# Altium PCB Power_Card_Lahiru.PcbDoc (part 2 of 2) (continued)
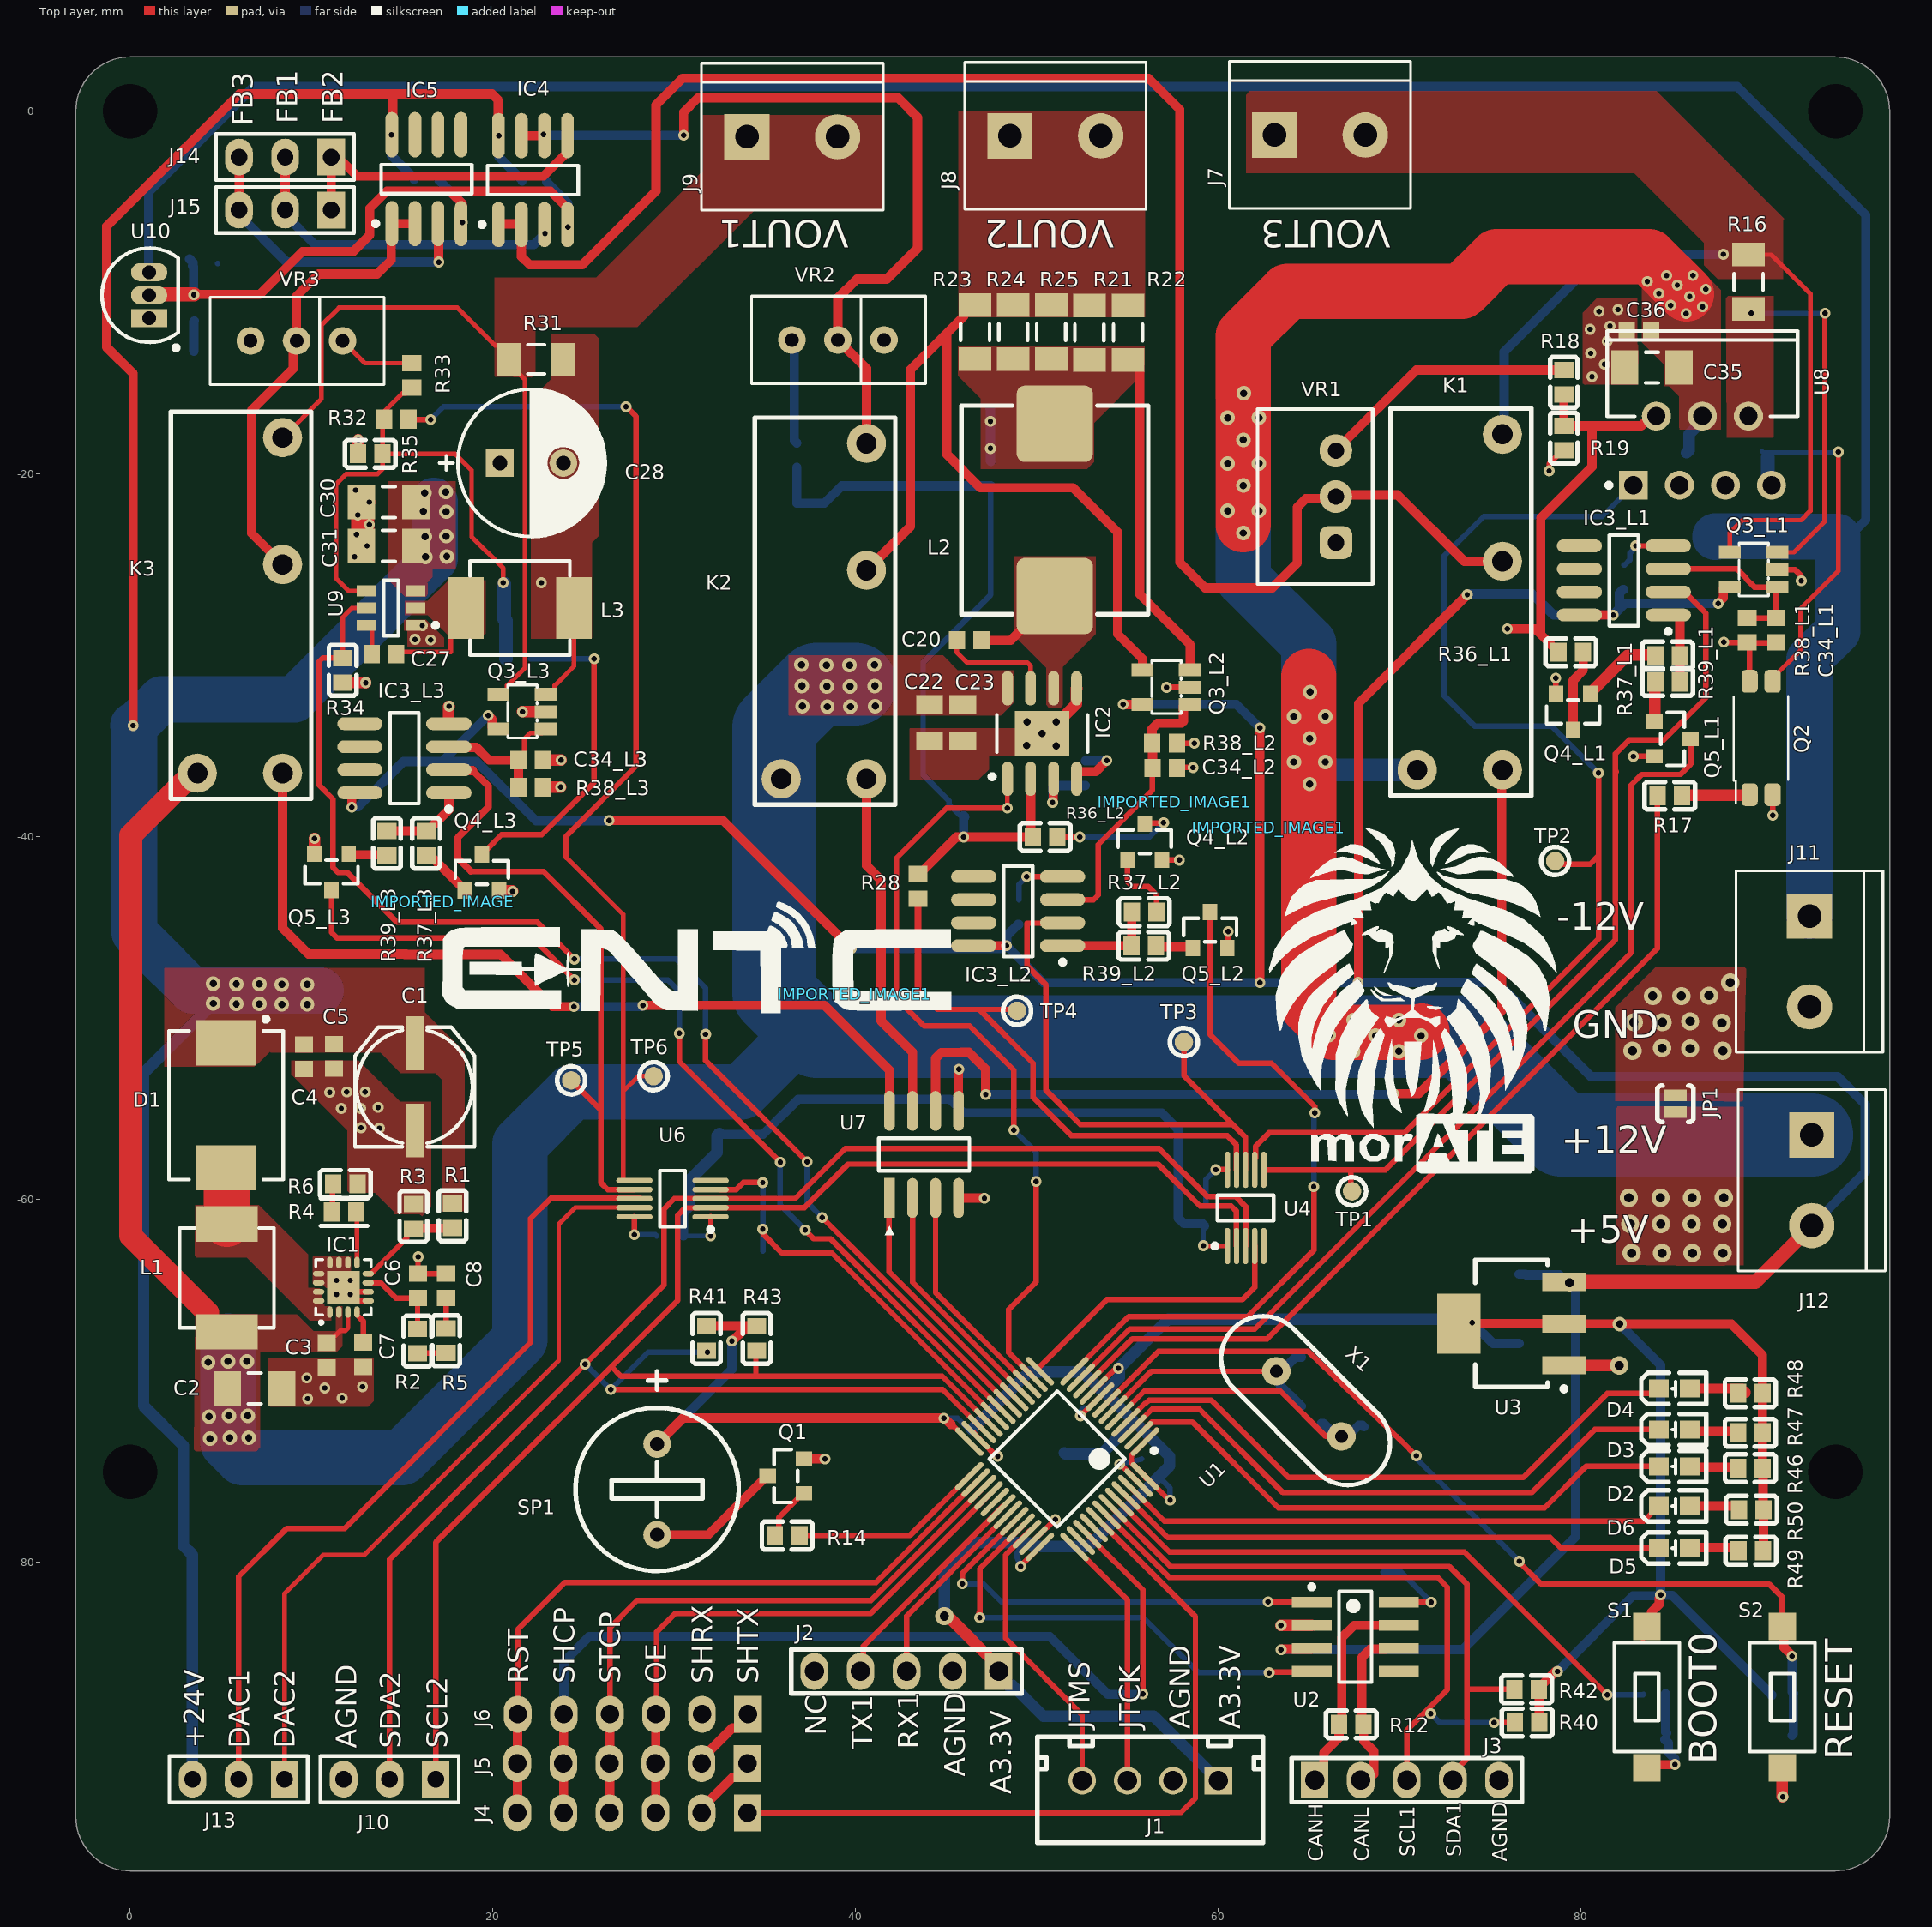
[diagram p0: Top Layer view]
## Nets (pads, with @x,y where several pads share a name; then routed paths per layer and width w, separated by ;. In a path a pad name is that pad's centre, name@x,y a point inside that pad or via, vN(x,y) a via of type N, cw(c..) or ccw(c..) an arc to the next point about the centre after c; other vN are vias at no path point) (continued)
  Bottom Layer w0.762: C33_L3.2@20.623,-27.991 C29.1@20.623,-26.042 ; R36_L3.2@20.712,-30.175 C33_L3.2@20.712,-28.079
NetC33_L1_2: C33_L1.2 R18.1 R19.2 R36_L1.2 U8.2 | length 23.1
  Top Layer w0.508: v1(75.921,-28.523) 77.454,-28.523 77.768,-28.836 ; R36_L1.2@78.751,-29.82 78.751,-29.745 78.555,-29.549 78.48,-29.549 77.768,-28.836 ; R18.1@79.045,-15.61 R19.2@79.045,-17.334 80.543,-17.334 ; U8.2@84.142,-16.796 83.846,-16.795 83.308,-17.334 80.543,-17.334 ; 77.768,-28.836 77.768,-22.41 80.594,-19.583 80.594,-17.384 80.543,-17.334
NetC34_L1_2: C34_L1.2 IC3_L1.3 Q3_L1.1 R38_L1.2 | length 9.8
  Top Layer w0.305: IC3_L1.3@84.797,-25.222 88.584,-25.222 89.103,-25.741 89.103,-25.777 89.549,-26.223 Q3_L1.1@90.81,-26.223 90.754,-26.279 C34_L1.2@90.754,-27.925 ; R38_L1.2@89.151,-27.925 C34_L1.2@90.754,-27.925
NetC34_L2_2: C34_L2.2 IC3_L2.3 Q3_L2.1 R38_L2.2 | length 15.6
  Top Layer w0.305: IC3_L2.3@51.407,-43.459 53.111,-43.459 53.365,-43.205 53.365,-40.411 56.359,-37.418 C34_L2.2@56.359,-36.191
  Top Layer w0.508: C34_L2.2@56.359,-36.191 56.359,-34.841 R38_L2.2@56.348,-34.83 56.337,-34.819 56.337,-34.029 56.635,-33.731 57.963,-33.731 58.069,-33.625 58.069,-32.802 58.171,-32.7 Q3_L2.1@58.425,-32.7
NetC34_L3_2: C34_L3.2 IC3_L3.3 Q3_L3.1 R38_L3.2 | length 8.4
  Top Layer w0.254: C34_L3.2@21.398,-35.757 21.721,-35.434 21.721,-34.591 22.037,-34.275 22.687,-34.275 Q3_L3.1@22.915,-34.046
  Top Layer w0.508: IC3_L3.3@17.563,-35.027 17.6,-35.063 19.087,-35.063 19.78,-35.757 C34_L3.2@21.398,-35.757 R38_L3.2@21.398,-37.255
NetD1_1: D1.1 IC1.1 IC1.15 IC1.16 L1.2 | length 3.1
  Top Layer w0.508: D1.1@5.276,-58.243 D1.1@5.326,-58.293
  Top Layer w2.54: L1.2@5.326,-61.338 D1.1@5.326,-58.293
NetD2_1: D2.1 R46.1 | length 2.7
  Top Layer w0.508: D2.1@85.979,-74.701 86.03,-74.752 88.591,-74.752 R46.1@88.642,-74.803
NetD3_1: D3.1 R47.1 | length 2.7
  Top Layer w0.508: D3.1@85.979,-72.669 86.069,-72.759 88.552,-72.759 R47.1@88.642,-72.85
NetD4_1: D4.1 R48.1 | length 2.8
  Top Layer w0.508: D4.1@86.411,-70.409 88.878,-70.409 89.074,-70.605 R48.1@89.074,-70.667
NetD5_1: D5.1 R49.1 | length 2.8
  Top Layer w0.508: D5.1@85.979,-79.197 86.004,-79.172 88.343,-79.172 88.521,-79.35 R49.1@88.682,-79.35
NetD6_1: D6.1 R50.1 | length 2.6
  Top Layer w0.508: D6.1@86.157,-76.886 88.512,-76.886 88.708,-77.082 R50.1@88.708,-77.089
NetIC1_8: IC1.8 R1.1 R3.1 | length 5.8
  Top Layer w0.305: IC1.8@13.118,-64.076 13.278,-64.076 15.24,-62.114 15.24,-61.896 15.538,-61.599 R3.1@15.613,-61.599
  Top Layer w0.508: R3.1@15.613,-61.599 15.633,-61.579 17.752,-61.579 R1.1@17.772,-61.559
NetIC1_9: IC1.9 R4.2 | length 2.8
  Top Layer w0.254: R4.2@12.463,-60.681 12.503,-60.72 IC1.9@12.503,-63.461
NetIC2_4: IC2.4 R30.1 | length 3.5
  Top Layer w0.508: IC2.4@52.181,-36.792 52.181,-36.436 52.223,-36.394 53.243,-36.394 v1(53.848,-35.789)
  Bottom Layer w0.508: R30.1@52.664,-35.807 52.673,-35.798 53.839,-35.798 v1(53.848,-35.789)
NetIC3_L1_1: IC3_L1.1 R37_L1.2 R39_L1.2 | length 4.3
  Top Layer w0.508: IC3_L1.1@84.797,-27.762 85.346,-27.762 85.435,-27.851 R37_L1.2@85.435,-30.005 R39_L1.2@85.435,-31.453
NetIC3_L2_1: IC3_L2.1 R37_L2.2 R39_L2.2 | length 5.7
  Top Layer w0.508: IC3_L2.1@51.407,-45.999 R39_L2.2@55.205,-45.999 55.218,-45.987 55.218,-44.158 R37_L2.2@55.23,-44.145
NetIC3_L3_1: IC3_L3.1 R37_L3.2 R39_L3.2 | length 4.8
  Top Layer w0.508: R39_L3.2@14.153,-39.674 R37_L3.2@16.312,-39.674 16.387,-39.674 17.563,-38.498 IC3_L3.1@17.563,-37.567
NetJ4_2: J4.2 J5.1 | length 3.9
  Top Layer w0.508: J4.2@31.503,-93.802 31.503,-93.548 33.205,-91.846 33.528,-91.846 34.036,-91.338 J5.1@34.036,-91.11
NetJ5_2: J5.2 J6.1 | length 4
  Top Layer w0.508: J5.2@31.496,-91.084 31.496,-90.83 33.198,-89.129 33.553,-89.129 34.036,-88.646 J6.1@34.036,-88.341
NetQ1_1: Q1.1 R14.1 | length 2.9
  Top Layer w0.305: R14.1@35.545,-78.511 35.75,-78.307 35.75,-77.529 37.059,-76.22 Q1.1@37.059,-76.2
NetQ1_3: Q1.3 SP1.2 | length 7.4
  Top Layer w0.508: SP1.2@29.134,-78.511 29.174,-78.471 31.858,-78.471 35.094,-75.235 Q1.3@35.144,-75.235
NetQ2_A: Q2.A R17.1 | length 3.7
  Top Layer w0.635: R17.1@85.562,-37.719 85.587,-37.694 89.256,-37.694 Q2.A@89.281,-37.669
NetQ3_L1_3: Q3_L1.3 R16.2 U8.6 | length 19
  Top Layer w0.254: Q3_L1.3@90.81,-24.308 91.719,-24.308 93.421,-22.606 93.421,-11.151 v1(93.447,-11.125)
  Bottom Layer w0.254: v1@89.281,-11.227 v1(89.383,-11.125) v1(93.447,-11.125)
NetQ4_L1_1: Q4_L1.1 R37_L1.1 | length 4.5
  Top Layer w0.635: Q4_L1.1@80.503,-32.096 80.503,-32.046 82.577,-29.972 84.052,-29.972 R37_L1.1@84.085,-30.005
NetQ4_L2_1: Q4_L2.1 R37_L2.1 | length 4.1
  Top Layer w0.305: Q4_L2.1@54.981,-41.259 54.981,-42.459 55.245,-42.723 56.109,-42.723 56.58,-43.195 R37_L2.1@56.58,-44.145
NetQ4_L3_1: Q4_L3.1 R37_L3.1 | length 2.9
  Top Layer w0.508: R37_L3.1@16.312,-41.024 16.508,-41.22 16.739,-41.22 18.43,-42.911 Q4_L3.1@18.43,-42.961
NetQ5_L1_1: Q5_L1.1 R39_L1.1 | length 1.8
  Top Layer w0.635: Q5_L1.1@84.039,-33.264 84.062,-33.241 84.062,-31.476 R39_L1.1@84.085,-31.453
NetQ5_L2_1: Q5_L2.1 R39_L2.1 | length 2.1
  Top Layer w0.508: R39_L2.1@56.555,-45.999 56.623,-46.068 58.519,-46.068 Q5_L2.1@58.588,-46.136
NetQ5_L3_1: Q5_L3.1 R39_L3.1 | length 2.5
  Top Layer w0.508: Q5_L3.1@12.05,-40.935 12.094,-40.98 14.109,-40.98 R39_L3.1@14.153,-41.024 14.078,-41.024 R39_L3.1@13.882,-41.22
NetR2_1: R2.1 R5.1 | length 1.6
  Top Layer w0.305: R2.1@15.842,-68.468 15.854,-68.455 17.404,-68.455 R5.1@17.416,-68.442
NetR4_1: R4.1 R6.2 | length 1.6
  Top Layer w0.305: R4.1@11.113,-60.681 11.146,-60.648 11.146,-59.164 R6.2@11.179,-59.131
NetR9_2: R9.2 R11.2 S1.1 | length 5.3
  Top Layer w0.508: S1.1@83.693,-91.211 83.752,-91.153 85.149,-91.153 v1(85.166,-91.135)
  Bottom Layer w0.508: R11.2@84.613,-89.764 84.809,-89.96 84.809,-90.473 85.166,-90.83 v1(85.166,-91.135) ; R9.2@84.647,-87.224 84.647,-89.346 R11.2@84.709,-89.408
NetR13_2: R13.2 U2.8 | length 5.1
  Top Layer w0.305: U2.8@69.939,-82.194 v1(71.73,-82.194)
  Bottom Layer w0.305: R13.2@69.077,-80.543 70.079,-80.543 v1(71.73,-82.194)
NetR18_2: R18.2 VR1.3 | length 14.4
  Top Layer w0.508: VR1.3@66.472,-18.694 70.906,-14.26 R18.2@79.045,-14.26
NetR26_2: R26.2 VR2.3 | length 5.8
  Bottom Layer w0.508: VR2.3@36.474,-12.598 36.614,-12.738 36.614,-18.134 R26.2@36.754,-18.273
NetR33_1: R33.1 VR3.1 | length 4.3
  Top Layer w0.254: VR3.1@11.709,-12.649 12.939,-13.879 R33.1@15.519,-13.879
NetR44_2: R44.2 R45.1 | length 1.7
  Bottom Layer w0.508: R45.1@3.505,-13.219 3.505,-11.582 R44.2@3.531,-11.557
NetU1_29: U1.29
OSC1: C14.1 R7.2 U1.5 X1.2 | length 15.9
  Top Layer w0.305: U1.5@55.171,-71.293 55.903,-70.561 63.424,-70.561 65.913,-73.05 X1.2@66.777,-73.05
  Bottom Layer w0.508: R7.2@65.659,-72.339 65.799,-72.339 66.51,-73.05 66.777,-73.05 66.981,-72.846 67.319,-72.846 67.739,-72.426 67.93,-72.426 C14.1@68.021,-72.517
OSC2: C15.1 R7.1 U1.6 X1.1 | length 13.2
  Top Layer w0.305: U1.6@54.815,-70.938 56.295,-69.458 X1.1@63.185,-69.458
  Bottom Layer w0.508: R7.1@64.572,-71.379 64.448,-71.255 64.419,-71.255 63.389,-70.225 63.389,-69.662 X1.1@63.185,-69.458 63.473,-69.458 64.275,-68.656 64.295,-68.676 C15.1@64.572,-68.676
PA15: U1.38
PB8: D5.2 U1.45 | length 30.6
  Top Layer w0.305: U1.45@54.888,-76.31 57.191,-78.613 78.288,-78.613 78.872,-79.197 D5.2@84.277,-79.197
PB9: D6.2 U1.46 | length 30.1
  Top Layer w0.305: U1.46@55.241,-75.957 57.009,-77.724 83.439,-77.724 D6.2@84.277,-76.886
PB10: J10.1 R43.1 U1.21 U4.2 U6.2 | length 94.5
  Top Layer w0.305: J10.1@16.84,-91.948 16.84,-78.892 30.175,-65.557 30.175,-60.858 30.582,-60.452 U6.2@31.344,-60.452 ; 26.543,-69.215 27.051,-69.723 34.493,-69.723 ; U6.2@31.996,-60.444 37.168,-60.444 39.573,-58.039 56.667,-58.039 58.979,-60.35 60.706,-60.35 60.993,-60.638 U4.2@60.993,-62.552 ; R43.1@34.544,-68.315 34.469,-68.315 34.493,-68.339 34.493,-69.723 ; U1.21@47.322,-72.28 44.765,-69.723 34.493,-69.723
PB11: J10.2 R41.1 U1.22 U4.3 U6.3 | length 104.3
  Top Layer w0.305: J10.2@14.046,-91.923 14.3,-91.669 14.3,-79.832 v1(25.07,-69.063) 29.413,-64.719 29.413,-60.528 29.997,-59.944 U6.3@31.996,-59.944 36.652,-59.944 39.421,-57.175 56.718,-57.175 59.36,-59.817 60.935,-59.817 61.493,-60.376 U4.3@61.493,-62.552 ; v1(26.492,-70.46) 44.795,-70.46 U1.22@46.968,-72.633
  Bottom Layer w0.305: v1(25.07,-69.063) 25.082,-69.063 26.479,-70.46 v1(26.492,-70.46) 28.55,-68.402 v1(31.826,-68.402)
PB12: R14.2 U1.25 | length 10.8
  Top Layer w0.305: R14.2@36.895,-78.511 42.977,-78.511 U1.25@46.304,-75.184
PB13: J4.6 J5.6 J6.6 U1.26 | length 39
  Top Layer w0.305: J6.6@21.412,-88.443 21.361,-88.392 21.361,-83.693 23.952,-81.102 41.116,-81.102 U1.26@46.615,-75.603
  Top Layer w0.508: J6.6@21.336,-88.189 21.352,-88.205 21.352,-93.793 J4.6@21.343,-93.802
PB14: J4.4 J5.4 J6.4 U1.27 | length 34.1
  Top Layer w0.305: J6.4@26.264,-88.24 26.441,-88.062 26.441,-83.591 27.94,-82.093 40.832,-82.093 U1.27@46.968,-75.957
  Top Layer w0.508: J6.4@26.416,-88.138 26.432,-88.154 26.432,-93.793 J4.4@26.423,-93.802
PB15: J4.3 J5.3 J6.3 U1.28 | length 31.6
  Top Layer w0.305: J6.3@28.931,-88.265 29.032,-88.163 29.032,-83.82 30.048,-82.804 40.828,-82.804 U1.28@47.322,-76.31
  Top Layer w0.508: J6.3@28.626,-88.214 28.972,-88.561 28.972,-93.793 J4.3@28.963,-93.802
PC13: D2.2 U1.2 | length 31.9
  Top Layer w0.305: U1.2@55.595,-72.987 55.598,-72.987 56.336,-72.249 58.559,-72.249 63.297,-76.987 77.978,-76.987 80.264,-74.701 D2.2@84.277,-74.701
PC14: D3.2 U1.3 | length 32.8
  Top Layer w0.305: U1.3@55.241,-72.633 56.323,-71.552 58.953,-71.552 63.551,-76.149 77.267,-76.149 80.747,-72.669 D3.2@84.277,-72.669
PC15: D4.2 U1.4 | length 33.7
  Top Layer w0.305: U1.4@54.888,-72.28 55.921,-71.247 55.978,-71.247 56.181,-71.044 59.588,-71.044 63.856,-75.311 76.81,-75.311 81.44,-70.68 83.955,-70.68 84.226,-70.409 D4.2@84.277,-70.409
RELAY_1: U1.17 U7.1 | length 13.8
  Top Layer w0.305: U7.1@41.834,-59.969 41.834,-63.963 U1.17@48.736,-70.866
RELAY_2: U1.16 U7.2 | length 12.9
  Top Layer w0.305: U7.2@43.18,-60.147 43.129,-60.198 43.129,-64.552 U1.16@49.09,-70.512
RELAY_3: U1.15 U7.3 | length 12.4
  Top Layer w0.305: U7.3@44.374,-59.868 44.399,-59.893 U7.3@44.399,-59.906 44.399,-65.115 U1.15@49.443,-70.158
RESET: C16.2 R8.2 S2.2 U1.7 | length 51.7
  Top Layer w0.305: U1.7@53.827,-71.219 56.68,-68.366 64.962,-68.366 70.104,-73.33 70.891,-74.117 v1(70.917,-74.117) ; v1(76.581,-79.934) 76.581,-79.985 77.78,-81.183 90.353,-81.183 91.084,-81.915 S2.2@91.084,-83.388
  Top Layer w0.508: S2.2@91.161,-83.693 91.161,-84.658 91.618,-85.115 v1(91.618,-85.166)
  Bottom Layer w0.305: v1(70.917,-74.117) 70.917,-74.27 v1(76.581,-79.934)
  Bottom Layer w0.508: C16.2@91.618,-89.535 91.696,-89.457 91.696,-87.236 R8.2@91.709,-87.224 91.618,-87.133 v1(91.618,-85.166)
RX1: J2.3 U1.31 | length 10
  Top Layer w0.305: J2.3@42.799,-86.004 42.799,-82.954 U1.31@47.748,-78.006
SCK1: J4.5 J5.5 J6.5 U1.39 | length 52.5
  Top Layer w0.305: U1.39@52.832,-78.461 52.832,-78.511 55.829,-81.509 v1(55.829,-87.249)
  Top Layer w0.508: J6.5@23.698,-88.189 23.892,-88.383 23.892,-93.793 J4.5@23.883,-93.802
  Bottom Layer w0.508: J6.5@23.901,-88.367 23.901,-85.471 25.298,-84.074 50.698,-84.074 53.899,-87.274 54.763,-87.274 54.771,-87.267 55.821,-87.267 v1@55.829,-87.274
SCL1: J3.3 R40.1 U1.42 | length 37.1
  Top Layer w0.305: U1.42@53.827,-77.371 57.279,-80.823 72.085,-80.823 72.619,-81.356 72.619,-87.02 v1@71.501,-88.138 ; J3.3@70.383,-91.999 70.383,-89.256 v1@71.501,-88.138 ; v1(71.704,-88.341) v1@71.501,-88.138 ; v1(75.184,-88.824) R40.1@76.338,-88.824
  Bottom Layer w0.305: v1(71.704,-88.341) 72.187,-88.824 v1(75.184,-88.824)
SDA1: J3.4 R42.1 U1.43 | length 35
  Top Layer w0.305: U1.43@54.178,-77.038 57.353,-80.213 72.72,-80.213 73.711,-81.204 73.711,-86.995 ; J3.4@72.923,-91.999 72.923,-91.595 73.711,-90.808 73.711,-86.995 ; R42.1@76.312,-86.995 73.711,-86.995
SW_VOUT_1: K1.1 U7.6 | length 51
  Top Layer w0.203: U7.6@44.399,-55.106 44.442,-55.106 U7.6@44.582,-55.246
  Top Layer w0.508: U7.6@44.399,-55.106 U7.6@44.417,-55.123 ; U7.6@44.399,-54.407 44.399,-52.197 44.704,-51.892 45.796,-51.892 45.814,-51.874 46.235,-51.874 47.168,-52.807 v4(47.168,-54.204) ; v4(69.647,-54.153) 71.044,-54.153 75.616,-49.581 K1.1@75.616,-36.119
  Bottom Layer w0.508: v4(47.168,-54.204) 69.596,-54.204 v4(69.647,-54.153)
SW_VOUT_2: K2.1 U7.7 | length 19.4
  Top Layer w0.508: K2.1@40.589,-36.798 40.589,-41.58 41.402,-42.393 41.402,-50.14 43.129,-51.867 U7.7@43.129,-55.106
SW_VOUT_3: K3.1 U7.8 | length 47.6
  Top Layer w0.508: K3.1@8.395,-36.479 8.395,-45.022 9.83,-46.457 15.215,-46.457 ; 15.138,-46.482 20.422,-46.482 23.292,-49.352 v1(24.46,-49.352) ; v1(28.27,-49.276) 38.278,-49.276 41.859,-52.857 U7.8@41.859,-55.106
  Bottom Layer w0.508: v1(24.46,-49.352) 28.194,-49.352 v1(28.27,-49.276)
TX1: J2.4 U1.30 | length 12.8
  Top Layer w0.305: J2.4@40.411,-85.636 cw(c39.891,-85.636) J2.4@40.259,-86.004 40.411,-85.852 40.411,-84.607 U1.30@48.133,-76.886
unbuff_fb1: IC4.3 J14.2 J15.2 | length 18.5
  Top Layer w0.508: J15.2@8.534,-5.436 8.534,-2.616 J14.2@8.56,-2.591 ; IC4.3@22.809,-6.223 IC4.3@22.885,-6.299
  Bottom Layer w0.508: J15.2@8.534,-5.436 8.534,-5.69 10.185,-7.341 22.25,-7.341 v1(22.86,-6.731)
unbuff_fb2: IC4.5 J14.1 J15.1 | length 18
  Top Layer w0.508: J14.1@10.871,-2.769 11.1,-2.54 11.481,-2.54 12.497,-3.556 22.783,-3.556 24.105,-2.235 IC4.5@24.105,-1.335 ; J15.1@11.074,-5.436 J14.1@11.074,-2.591
unbuff_fb3: IC5.3 J14.3 J15.3 | length 17.7
  Top Layer w0.508: J14.3@5.893,-2.438 5.994,-2.54 J15.3@5.994,-5.436 ; IC5.3@16.891,-6.045 17,-6.155 17,-8.288 v1(17.018,-8.306)
  Bottom Layer w0.508: J15.3@5.994,-5.436 5.994,-5.69 8.611,-8.306 v1(17.018,-8.306)
VDD: C42.1 C43.2 R15.1 U4.1 U5.3 U6.1 | length 44.8
  Top Layer w0.254: v1(32.004,-62.001) U6.1@32.004,-60.909 ; v1(59.157,-62.535) 60.476,-62.535 U4.1@60.493,-62.552
  Bottom Layer w0.254: C43.2@30.495,-62.001 v1(32.004,-62.001) ; U5.3@30.836,-59.385 U5.3@30.861,-59.411 ; v1(59.157,-62.535) v1@59.157,-62.484 ; v1@59.157,-62.459 C42.1@59.157,-61.366
  Bottom Layer w0.508: C43.2@30.495,-62.001 30.495,-60.742 30.861,-60.376 U5.3@30.861,-59.411 ; R15.1@32.563,-56.403 34.885,-56.403 36.83,-54.458 45.187,-54.458 45.949,-55.22 56.871,-55.22 57.785,-56.134 57.785,-61.018 58.083,-61.316 59.106,-61.316 59.157,-61.366 C42.1@59.233,-61.443 ; v1@59.131,-62.484 59.157,-62.459 v1@59.182,-62.484
  Bottom Layer w0.635: U5.3@30.82,-59.25 30.82,-58.935 32.355,-57.4 32.355,-56.469 R15.1@32.487,-56.337
VOUT1: J7.1 J7.2 K1.3 Q3_L1.4 R16.1 | length 41.2
  Top Layer w0.254: Q3_L1.4@88.189,-24.308 88.189,-23.235 88.894,-22.53 92.126,-22.53 92.634,-22.022 92.634,-10.058 90.475,-7.899 89.232,-7.899 R16.1@89.23,-7.898
  Bottom Layer w0.508: K1.3@75.654,-17.801 75.751,-17.705 75.751,-13.251 81.128,-7.874 v1(87.833,-7.874)
VOUT2: J8.1 J8.2 K2.2 Q3_L2.4 R21.1 R22.2 R23.2 R24.2 R25.2 | length 43.3
  Top Layer w0.508: K2.2@40.589,-25.298 43.002,-22.885 43.002,-14.248 45.009,-12.241 ; R23.2@46.584,-10.667 46.334,-10.667 45.938,-11.063 45.938,-11.313 45.009,-12.241 ; Q3_L2.4@55.804,-30.785 55.804,-30.175 54.432,-28.804 54.432,-23.19 51.994,-20.752 46.863,-20.752 45.009,-18.898 45.009,-12.241
VOUT3: J9.1 J9.2 K3.3 Q3_L3.4 R31.1 | length 38.7
  Top Layer w0.254: K3.3@8.407,-17.983 10.541,-15.85 10.541,-11.786 11.506,-10.82 18.033,-10.82 20.104,-12.892 20.354,-12.892 20.877,-13.415 R31.1@20.877,-13.665 20.877,-13.915 21.768,-14.806 21.768,-30.658 20.777,-31.648 20.777,-31.902 20.549,-32.131 Q3_L3.4@20.295,-32.131
VSET_1: TP2.1 U4.7 U8.1 | length 66.1
  Top Layer w0.305: U4.7@62.039,-57.709 62.039,-57.062 62.789,-56.312 70.256,-56.312 80.95,-45.618 80.95,-41.046 ; TP2.1@78.562,-41.326 78.74,-41.504 80.493,-41.504 80.95,-41.046 ; v1(80.95,-36.474) 80.95,-41.046
  Bottom Layer w0.305: v1(80.95,-36.474) 78.359,-33.884 74.117,-33.884 72.415,-32.182 72.415,-24.536 74.625,-22.327 81.151,-22.327 U8.1@82.872,-20.606
VSET_2: R28.1 TP4.1 U4.9 | length 30.7
  Top Layer w0.305: 43.434,-48.438 44.501,-49.505 46.812,-49.505 ; TP4.1@48.895,-49.581 48.819,-49.505 46.812,-49.505 ; U4.9@60.993,-58.352 60.993,-56.98 60.477,-56.464 51.892,-56.464 49.784,-54.356 49.784,-52.476 46.812,-49.505
  Top Layer w0.381: 43.434,-48.438 R28.1@43.434,-43.398
VSET_3: R32.2 TP6.1 U6.6 | length 60.8
  Top Layer w0.254: 24.003,-41.097 24.028,-41.123 27.178,-44.272 27.178,-54.026 ; U6.6@27.796,-58.944 27.199,-58.944 27.178,-58.923 27.178,-54.026 ; TP6.1@28.854,-53.188 28.016,-53.188 27.178,-54.026
  Top Layer w0.305: R32.2@15.356,-16.967 15.382,-16.993 v1(16.561,-16.993) ; 24.028,-41.123 24.028,-39.954 27.889,-36.093 27.889,-16.815 27.356,-16.281 v1(27.33,-16.281)
  Bottom Layer w0.305: v1(16.561,-16.993) 17.272,-16.281 v1(27.33,-16.281)
pads on no net: IC3_L1.5 IC3_L1.6 IC3_L1.7 IC3_L2.5 IC3_L2.6 IC3_L2.7 IC3_L3.5 IC3_L3.6 IC3_L3.7 IC5.5 IC5.6 IC5.7 J2.5 J6.2 Q4_L1.3 Q4_L2.3 Q4_L3.3 R36_L1.1 R36_L2.1 R36_L3.1 U2.5 U4.5 U5.1 U6.5 VR1.1 VR2.1 VR3.3
copper on no net: | length 30
  Top Layer w0.305: 19.38,-40.961 19.38,-40.911 19.628,-40.663 19.678,-40.663 20.463,-39.878 22.682,-39.878 25.578,-36.982 v1(25.578,-30.175) ; 51.119,-40.005 v1@52.349,-40.005 ; 55.931,-39.259 55.952,-39.238 56.951,-39.238 v1(56.972,-39.218)
  Top Layer w0.508: 19.38,-40.961 19.39,-40.971 ; 55.931,-39.309 55.931,-39.259 ; 79.553,-34.096 79.553,-31.369 80.112,-30.81 80.112,-29.83 80.101,-29.82
  Bottom Layer w0.305: 22.062,-30.175 v1(25.578,-30.175) ; v1(52.349,-40.005) 56.185,-40.005 v1(56.972,-39.218)

## Polygon pours and split planes (outlines as drawn)
NetD1_1 on Top Layer "NETD1_1_L01_P080" (solid, pour order 80): 3.581,-60.3 7.087,-60.3 9.804,-63.017 9.804,-64.872 10.439,-64.872 10.668,-65.1 10.592,-65.176 10.592,-65.735 10.871,-65.735 11.125,-65.989 11.125,-66.65 9.906,-66.65 6.426,-63.17 3.556,-63.17
GND on Top Layer "Top Layer-GND" (solid, pour order 118): 83.642,-54.559 86.843,-54.559 88.925,-54.61 89.027,-50.14 89.094,-47.184 86.915,-47.184 84.108,-47.184 81.89,-49.403 81.89,-50.216 81.89,-54.559
AGND on Top Layer "Top Layer-AGND" (solid, pour order 116): 81.94,-54.832 88.951,-54.889 88.951,-63.601 86.897,-63.653 83.61,-63.601 81.94,-63.575
GND on Top Layer "GND_L01_P112" (solid, pour order 112): 83.109,-15.062 80.213,-15.062 80.162,-15.113 80.086,-15.037 80.086,-11.1 80.899,-10.287 83.16,-10.287
+12V on Top Layer "+12V_L01_P106" (solid, pour order 106): 86.614,-17.577 86.568,-17.531 85.412,-17.531 85.412,-15.714 84.836,-15.138 84.557,-15.138 84.557,-13.943 83.337,-12.724 83.337,-8.687 83.515,-8.509 86.36,-8.509 86.563,-8.712 87.706,-9.855 87.706,-17.526 85.416,-17.526
VOUT1 on Top Layer "VOUT1_L01_P104" (solid, pour order 104): 61.747,1.168 61.798,1.118 84.15,1.118 91.186,-5.918 91.135,-5.969 91.135,-9.246 87.528,-9.246 86.766,-8.484 86.766,-7.239 82.931,-3.404 61.519,-3.404 61.519,0.914 61.57,0.965
NetQ3_L1_3 on Top Layer "NETQ3_L1_3_L01_P102" (solid, pour order 102): 87.986,-10.236 88.036,-10.185 90.602,-10.185 90.602,-17.947 90.566,-17.983 88.026,-17.983
VOUT2 on Top Layer "VOUT2_L01_P096" (solid, pour order 96): 45.669,-11.328 55.956,-11.328 55.956,0 45.669,0
VOUT3 on Top Layer "VOUT3_L01_P094" (solid, pour order 94): 20.066,-14.63 20.091,-14.605 20.091,-9.169 25.679,-9.169 31.572,-3.277 31.572,-0.203 41.5,-0.203 41.5,-5.447 34.406,-5.447 27.965,-11.887 22.327,-11.887 22.327,-14.478 22.123,-14.681
+24V on Top Layer "+24V_L01_P088" (solid, pour order 88): 1.876,-52.654 6.833,-52.654 6.985,-52.502 7.036,-52.502 7.696,-51.841 7.747,-51.892 13.792,-51.892 14.91,-53.01 16.84,-53.01 16.84,-53.035 17.221,-53.416 17.221,-60.63 18.534,-60.63 18.44,-60.536 18.44,-51.867 16.231,-49.657 16.231,-47.219 3.513,-47.219 1.876,-47.219
GND on Top Layer "GND_L01_P086" (solid, pour order 86): 12.09,-59.614 11.989,-59.512 11.989,-56.185 8.89,-53.086 8.89,-52.324 12.598,-52.324 14.884,-54.61 16.586,-54.61 16.586,-60.426 16.088,-60.924 15.946,-60.782 14.58,-60.782 14.58,-60.706 13.48,-59.606 11.854,-59.606
GND on Top Layer "GND_L01_P084" (solid, pour order 84): 7.544,-71.425 7.595,-71.374 7.595,-68.758 13.411,-68.758 13.411,-71.095 13.106,-71.399 7.544,-71.399 7.518,-71.425
GND on Top Layer "GND_L01_P082" (solid, pour order 82): 10.058,-64.668 10.058,-63.17 10.135,-63.094 12.167,-63.094 12.167,-64.742 12.037,-64.872 10.122,-64.872
+12V on Top Layer "+12V_L01_P078" (solid, pour order 78): 3.581,-66.294 3.607,-66.319 9.177,-66.319 10.117,-67.259 11.328,-67.259 11.328,-65.938 11.303,-65.913 11.328,-65.888 11.684,-65.888 11.684,-68.072 11.354,-68.402 7.163,-68.402 7.163,-73.66 6.96,-73.863 3.511,-73.863
no net on Top Layer "NONET_L01_P076" (solid, pour order 76): 3.581,-66.294
GND on Top Layer "GND_L01_P072" (solid, pour order 72): 51.359,-34.036 50.521,-34.011 43.002,-34.011 42.977,-34.036 42.977,-36.83 46.787,-36.83 47.346,-36.271 47.346,-35.535 51.257,-35.535 51.359,-35.433
+12V on Top Layer "+12V_L01_P070" (solid, pour order 70): 43.205,-33.299 43.256,-33.299 48.006,-33.299 48.717,-32.588 48.717,-30.81 45.628,-30.81 44.815,-29.997 36.297,-29.997 36.297,-33.299
NetC20_1 on Top Layer "NETC20_1_L01_P068" (solid, pour order 68): 50.521,-30.683 48.743,-28.905 48.743,-24.536 53.238,-24.536 53.238,-28.804 51.41,-30.632 51.41,-32.842 50.495,-32.842 50.521,-32.817 50.521,-32.639
NetC21_2 on Top Layer "NETC21_2_L01_P066" (solid, pour order 66): 46.888,-19.71 46.888,-15.824 45.644,-14.58 45.644,-12.903 45.695,-12.852 45.822,-12.979 55.931,-12.979 55.931,-14.376 53.137,-17.17 53.137,-19.329 52.756,-19.71
no net on Top Layer "NONET_L01_P064" (solid, pour order 64): 50.063,-20.091
NetC28_2 on Top Layer "NETC28_2_L01_P062" (solid, pour order 62): 25.4,-29.058 22.098,-29.058 22.098,-15.875 23.19,-14.783 23.19,-12.294 25.603,-12.294 25.832,-12.522 25.832,-23.393 25.451,-23.774 25.451,-29.083
GND on Top Layer "GND_L01_P060" (solid, pour order 60): 16.337,-27.96 17.302,-28.925 17.302,-29.509 15.321,-29.509 15.296,-29.484 15.296,-28.62 15.067,-28.62 15.093,-28.595 15.093,-27.96
+24V on Top Layer "+24V_L01_P058" (solid, pour order 58): 15.138,-26.746 14.249,-25.857 14.249,-20.396 17.932,-20.396 17.932,-25.222 16.662,-25.222 16.662,-25.698 16.376,-25.984 16.408,-26.016 16.408,-26.746
NetC27_1 on Top Layer "NETC27_1_L01_P056" (solid, pour order 56): 15.138,-27 16.408,-27 17.551,-25.857 19.583,-25.857 19.583,-28.778 19.456,-28.905 17.551,-28.905 16.408,-27.762 15.138,-27.762
no net on Top Layer "Top Layer-No Net 2" (solid, pour order 30): 164.596,-24.003
no net on Top Layer "Top Layer-No Net" (solid, pour order 24): 42.418,-30.759
AGND on Bottom Layer "Bottom Layer-AGND" (solid, pour order 114): -2.651,-74.387 3.997,-74.387 4.637,-75.027 16.389,-74.914 23.682,-67.808 23.428,-57.165 25.384,-55.159 34.35,-55.159 37.119,-52.746 52.816,-52.949 72.095,-52.898 77.734,-58.334 96.657,-58.232 96.555,-93.97 94.334,-96.643 0.649,-96.568 -2.226,-93.843
GND on Bottom Layer "GND_L02_P110" (solid, remove dead copper, pour order 110): 96.785,-53.928 96.713,-54 79.883,-54 73.99,-48.108 73.584,-48.514 36.017,-48.514 32.664,-51.867 23.851,-51.867 19.558,-56.159 19.583,-56.185 19.583,-68.707 13.741,-74.549 -2.769,-74.549 -2.769,-0.254 0.356,2.87 93.37,2.87 96.774,-0.533 96.774,-53.188
no net on Bottom Layer "NONET_L02_P098" (solid, pour order 98): 84.582,-21.311 84.633,-21.26 84.633,-18.212
-12V on Bottom Layer "-12V_L02_P100" (solid, pour order 100): 84.633,-18.212 89.052,-18.212 89.109,-18.268 89.109,-24.392 89.51,-24.793 89.484,-24.818 89.484,-26.34 84.582,-26.34 84.582,-21.311
no net on Bottom Layer "Bottom Layer-No Net" (solid, pour order 26): 26.67,-7.112

## Silkscreen, mask and mechanical layers (free items; w line width, h text height)
Top Overlay:
  text "FB1" at 9.22,-0.686 h1.14 r90
  text "FB2" at 11.709,-0.686 h1.14 r90
  text "FB3" at 6.756,-0.788 h1.14 r90
  text "VOUT1" at 39.624,-5.994 h1.52 r180
  text "VOUT2" at 54.254,-5.994 h1.52 r180
  text "VOUT3" at 69.494,-5.994 h1.52 r180
  text "-12V" at 78.638,-45.11 h1.52
  text "GND" at 79.527,-51.079 h1.52
  text "+12V" at 78.892,-57.429 h1.52
  text "+5V" at 79.223,-62.382 h1.52
  text "RST" at 21.946,-86.69 h1.14 r90
  text "SHCP" at 24.481,-86.69 h1.14 r90
  text "STCP" at 27.015,-86.69 h1.14 r90
  text "OE" at 29.55,-86.69 h1.14 r90
  text "SHRX" at 32.085,-86.69 h1.14 r90
  text "SHTX" at 34.62,-86.69 h1.14 r90
  text "JTMS" at 52.908,-89.179 h1.14 r90
  text "JTCK" at 55.668,-89.179 h1.14 r90
  text "AGND" at 58.428,-89.179 h1.14 r90
  text "A3.3V" at 61.189,-89.179 h1.14 r90
  text "NC" at 38.354,-89.536 h1.14 r90
  text "+24V" at 4.089,-90.247 h1.14 r90
  text "DAC1" at 6.553,-90.246 h1.14 r90
  text "DAC2" at 9.068,-90.247 h1.14 r90
  text "AGND" at 12.471,-90.247 h1.14 r90
  text "SDA2" at 14.91,-90.247 h1.14 r90
  text "SCL2" at 17.475,-90.247 h1.14 r90
  text "TX1" at 40.907,-90.297 h1.14 r90
  text "RX1" at 43.459,-90.297 h1.14 r90
  text "RESET" at 94.945,-90.881 h1.52 r90
  text "BOOT0" at 87.452,-91.135 h1.52 r90
  text "AGND" at 46.012,-91.821 h1.14 r90
  text "A3.3V" at 48.565,-92.773 h1.14 r90
  text "SCL1" at 70.828,-96.224 h0.81 r90
  text "SDA1" at 73.362,-96.224 h0.81 r90
  text "CANH" at 65.761,-96.495 h0.81 r90
  text "CANL" at 68.294,-96.495 h0.81 r90
  text "AGND" at 75.895,-96.495 h0.81 r90
Bottom Overlay:
  text "FB3" at 6.782,2.185 h1.14 r90
  text "FB2" at 11.735,2.185 h1.14 r90
  text "FB1" at 9.246,1.804 h1.14 r90
  text "VOUT1" at 33.299,-3.632 h1.52 r180
  text "VOUT2" at 47.727,-3.632 h1.52 r180
  text "VOUT3" at 62.154,-3.632 h1.52 r180
  text "-12V" at 90.78,-40.869 h1.52 r90
  text "GND" at 90.805,-47.752 h1.52 r90
  text "+12V" at 90.881,-53.492 h1.52 r90
  text "+5V" at 90.907,-60.452 h1.52 r90
  text "SHCP" at 24.43,-82.525 h1.14 r90
  text "STCP" at 26.965,-82.525 h1.14 r90
  text "SHRX" at 32.034,-82.525 h1.14 r90
  text "SHTX" at 34.569,-82.525 h1.14 r90
  text "RST" at 21.895,-83.667 h1.14 r90
  text "OE" at 29.5,-84.81 h1.14 r90
  text "A3.3V" at 60.731,-85.344 h1.14 r90
  text "+24V" at 3.988,-85.699 h1.14 r90
  text "DAC2" at 8.966,-85.699 h1.14 r90
  text "AGND" at 12.37,-85.699 h1.14 r90
  text "SDA2" at 14.808,-85.699 h1.14 r90
  text "SCL2" at 17.374,-85.699 h1.14 r90
  text "DAC1" at 6.452,-86.08 h1.14 r90
  text "JTMS" at 52.451,-86.296 h1.14 r90
  text "JTCK" at 55.211,-86.296 h1.14 r90
  text "AGND" at 57.971,-86.296 h1.14 r90
  text "NC" at 38.075,-87.999 h1.14 r90
  text "TX1" at 40.627,-87.999 h1.14 r90
  text "RX1" at 43.18,-87.999 h1.14 r90
  text "AGND" at 45.733,-87.999 h1.14 r90
  text "A3.3V" at 48.285,-87.999 h1.14 r90
  text "CANH" at 65.71,-93.548 h0.81 r90
  text "CANL" at 68.243,-93.548 h0.81 r90
  text "SCL1" at 70.777,-93.548 h0.81 r90
  text "SDA1" at 73.311,-93.548 h0.81 r90
  text "AGND" at 75.844,-93.548 h0.81 r90
Outline:
  the board outline again, w0.254